# KiCad board oresat-batteries.kicad_pcb (continued)
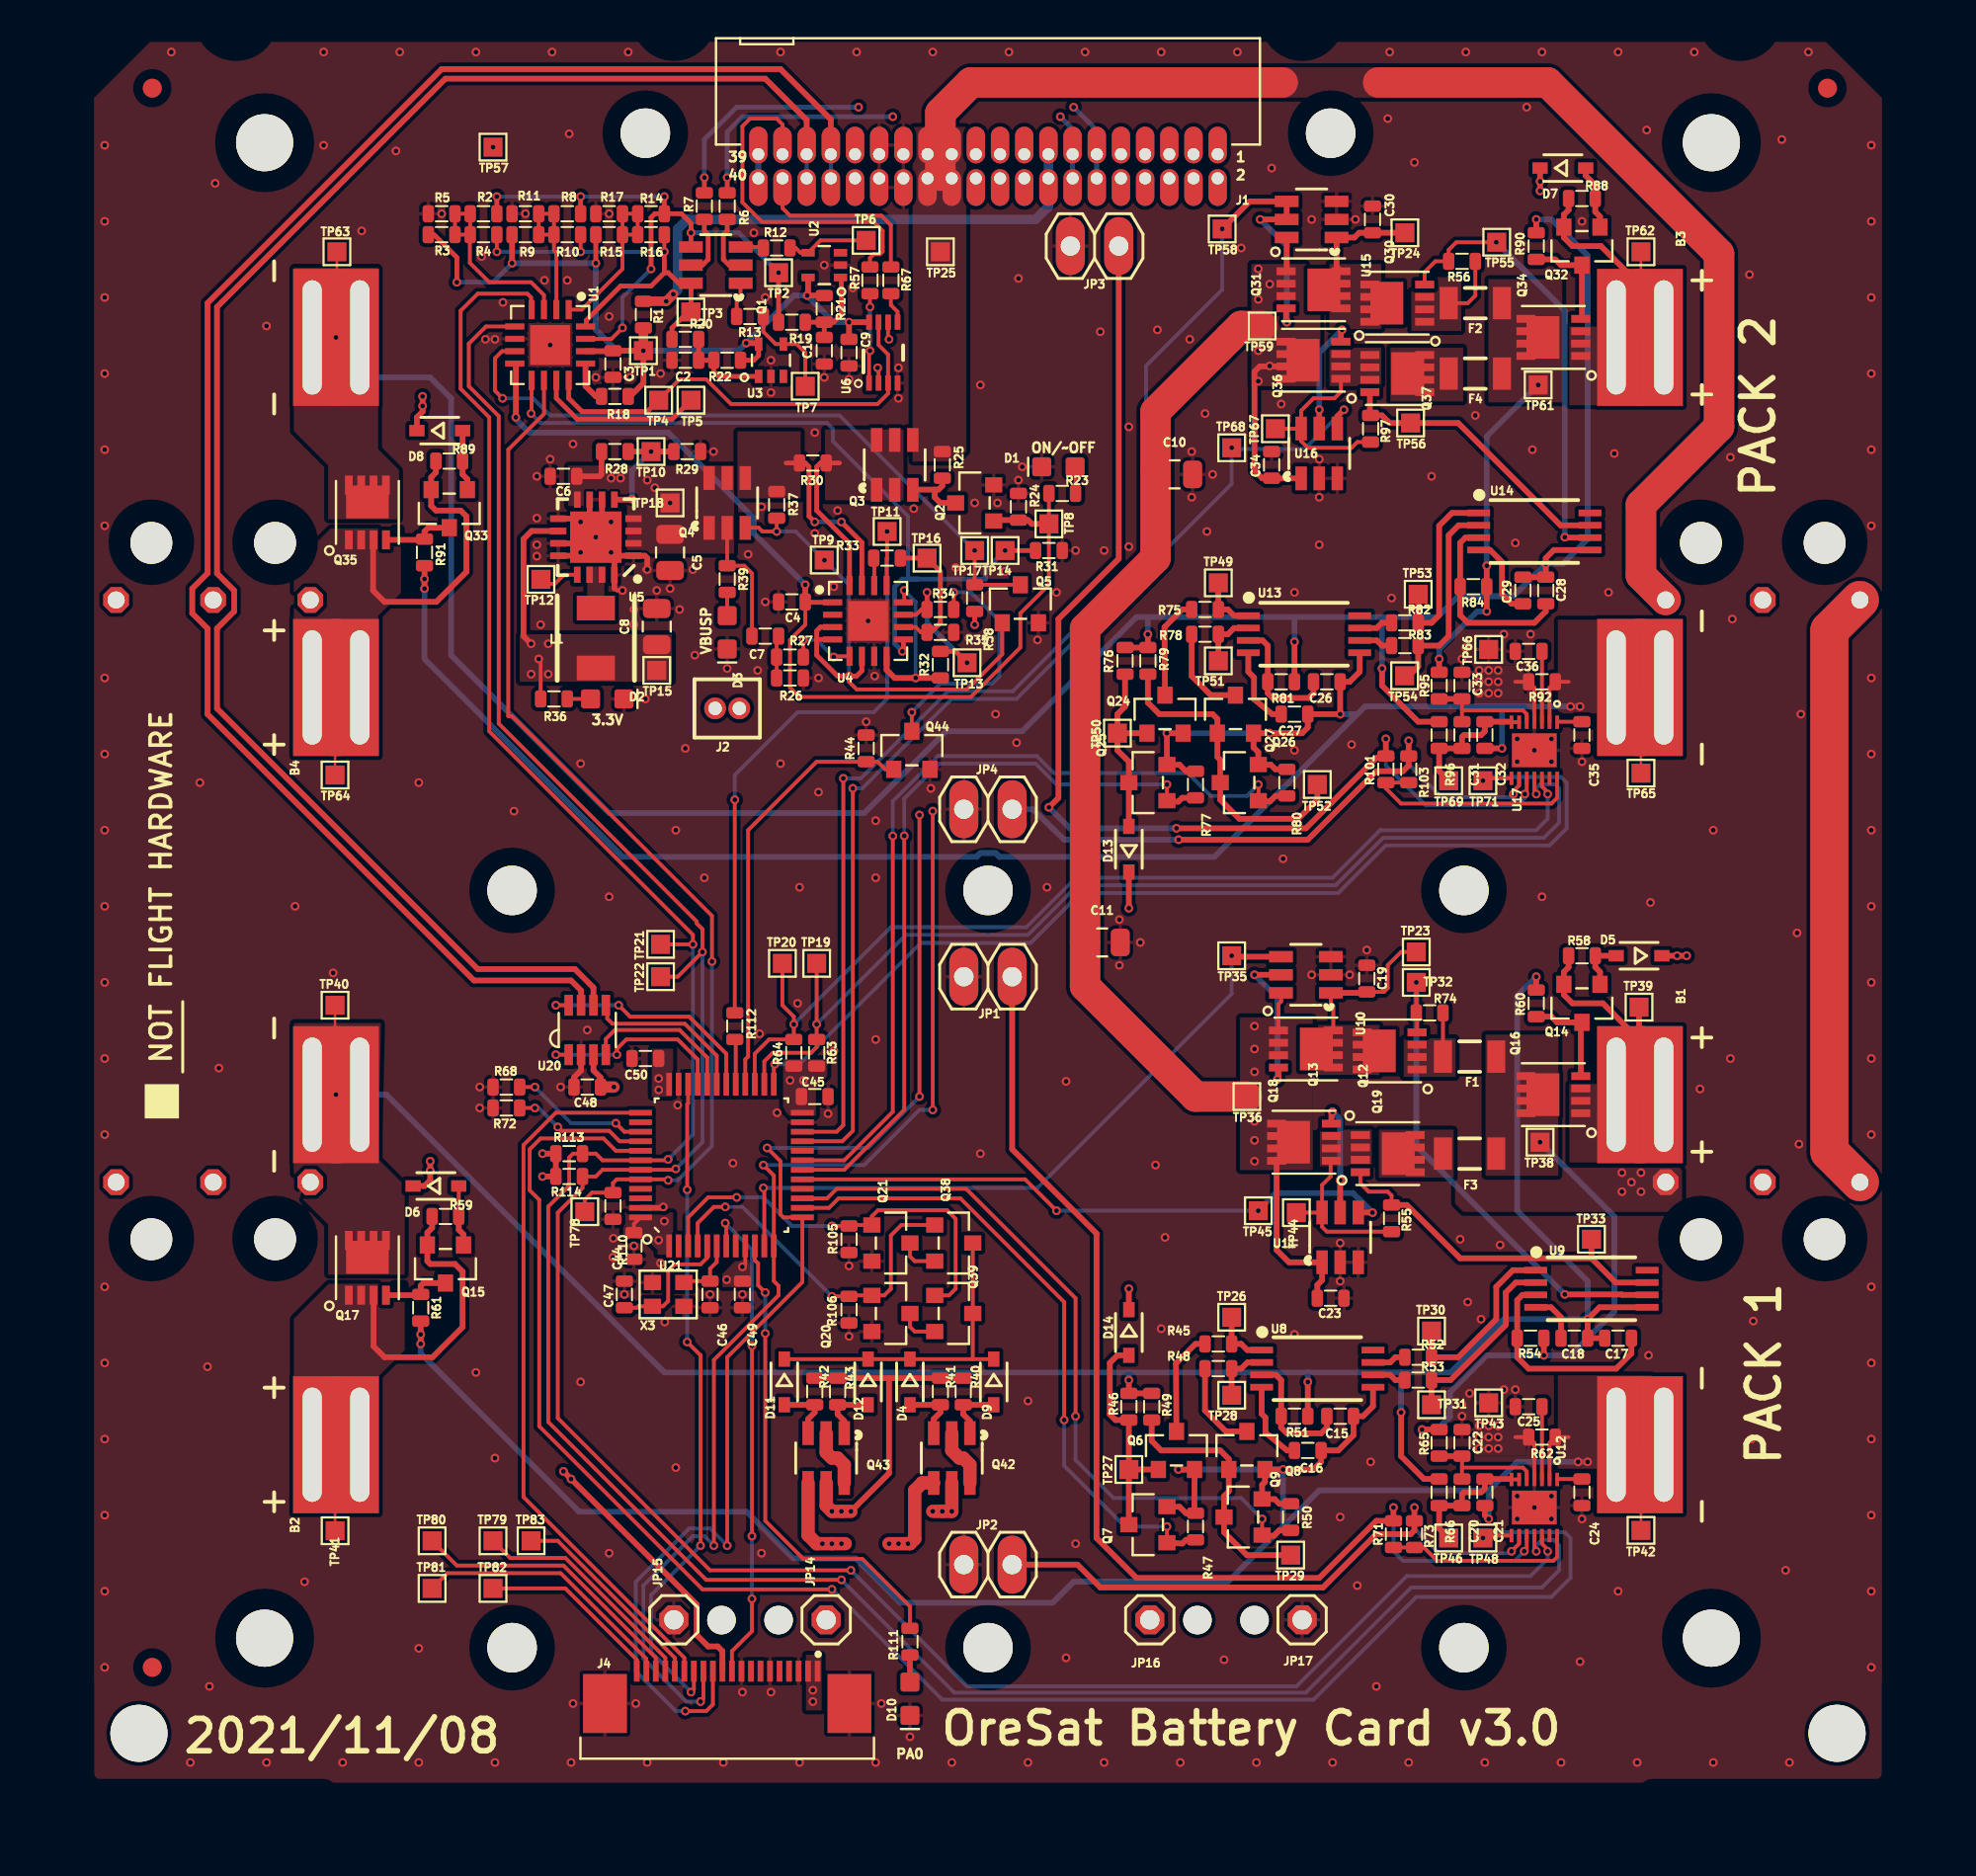
[diagram p0: board, top side]
## Routing (per net, layer and track width the routed paths; a pad name or vN(x,y) marks a point on that pad's centre or on a via; arc(x,y) is an arc through that point) (continued)
VBAT: length 147.5
  Top w0.152: 58.8,71.67 58.7,71.77
  Top w0.2: U10.6 65.3,44.41 65.3,43.97 65.16,43.83 Q13.1
  Top w0.3: Q31.1 65.59,82.37 U15.6 ; Q18.5 65.06,30.91 65.71,30.26 U11.1 67.45,29.32 67.2,29.07 C23.1 ; U16.1 64.81,71.46 C34.1 64.3,71.47 63.9,71.87 63.9,77.07 64.17,77.34 Q36.6
  Top w1.6: TP59.1 63.2,79.47 58.7,74.97 58.7,67.27 55,63.57 55,44.77 60.8,38.97 TP36.1
  In2.Cu w1.6: TP59.1 63.2,79.47 58.7,74.97 58.7,67.27 55,63.57 55,44.77 60.8,38.97 TP36.1 64.06,38.97 64.32,38.71 66.31,38.71 66.92,39.32 72.94,39.32 77.8,34.47 SW3.C
  vias: v1(63.9,42.67) v1(63.9,41.47) v1(63.9,40.27) v1(63.9,37.67) v1(63.9,36.67) v1(63.9,35.57) v1(64.1,82.47) v1(64.1,80.87) v1(64.1,78.17) v1(64.1,76.57) v1(64.7,81.67) v1(64.7,77.37) v1(83.2,34.97) v1(83.2,33.97) v1(83.7,34.47) v1(84.2,34.97) v1(84.2,33.97)
VBUS: length 128
  Top w1.6: SW4.C 84.2,66.37 84.2,70.07 88.3,74.17 88.3,83.27 79.3,92.27 70.4,92.27 ; 65.38,92.27 49,92.27 47.4,90.67 47.4,87.37
  Bottom w1.6: SW4.C 84.2,66.37 84.2,70.07 88.3,74.17 88.3,83.27 79.3,92.27 70.4,92.27 ; 65.38,92.27 49,92.27 47.4,90.67 47.4,87.37
VBUSP: length 148.8
  Top w0.2: 36.2,68.87 R39.2 37.1,66.87 37.5,66.47 C7.2
  Top w0.3: R40.1 R41.1 44.7,24.17 ; R28.2 29.6,71.67 29.5,71.57 C6.1 ; v1(42.7,17.17) 44.7,19.17 44.7,24.17 ; R42.1 R43.1 44.7,24.17
  Top w0.7: v1(47,17.17) v1(47.5,17.17) v1(48,17.17) 48,18.67 ; v1(42.7,17.17) v1(42.2,17.17) v1(41.7,17.17) 41.4,17.47 41.4,18.67
  In2.Cu w1: 22,17.17 v1(41.7,17.17) v1(42.2,17.17) v1(48,17.17) ; 22,17.17 22,9.07 25.4,5.67 39.5,5.67 40.7,6.87 v1(40.7,7.17) v1(40.7,7.77) ; 22,17.17 22,66.48 26.14,70.62 27.14,70.62 27.99,71.47 31.9,71.47 v1(33.2,70.17)
  vias: v1(30.1,71.47) v1(30.6,71.47) v1(32,71.37) v1(32.4,70.97)
/Battery Pack 1 (BOTTOM)/CSP-PK1: length 107.3
  Top w0.127: 84.2,16.27 84.2,20.62 84.15,20.67
  Top w0.2: 80.4,21.07 R62.1 79.4,20.77 U12.2
  Top w0.3: R50.1 65.2,17.57 64.96,17.81 Q9.2 64.3,18.57 64.45,18.72 Q8.2 v1(65.4,19.37) 67,19.37 67.4,19.77 C16.2 68.3,20.37 69.1,21.17 C15.2 69.6,22.17 70.12,22.69 U8.5 ; R61.2 v1(20.1,26.47) v1(20.1,25.97) ; C21.2 76,16.97 v1(76.2,16.77) ; v1(59.9,19.37) 59.92,19.35 Q6.2 60.75,19.36 60.74,17.13 R47.1 60.3,17.07 59.96,17.41 Q7.2
  Bottom w0.3: 65.4,16.37 62.5,13.47 54.4,13.47 53.3,12.37 45.29,12.37 42.96,14.7 39.67,14.7 37.22,17.15 28.42,17.15 20.1,25.47 v1(20.1,26.47) ; 65.4,16.37 v1(65.4,19.37) v1(59.9,19.37) ; 65.4,16.37 67.3,18.27 76.2,18.27 ; 76.2,18.27 77.7,19.77 v1(81.4,19.77) ; 76.2,18.27 v1(76.2,16.77)
  vias: v1(80.9,19.77)
/Battery Pack 1 (BOTTOM)/INTERCELL-PK1: length 115.1
  Top w0.127: TP40.1 15.6,39.22
  Top w0.2: 15.6,39.22 v1(15.65,39.07)
  Top w0.3: v1(57.3,24.07) R46.2 R49.1 ; U9.5 82.02,27.89 v1(81.4,27.27) C18.2 C17.2 ; v1(78.7,45.27) R60.2 ; v1(71.6,22.37) 71.6,20.07 72.8,18.87 R66.1 ; R51.2 v1(66.7,23.97)
  Bottom w0.3: 71.6,24.47 66.7,24.47 ; 71.6,24.47 v1(71.6,22.37) ; 71.6,24.47 74.2,24.47 77,27.27 v1(81.4,27.27) 81.4,29.27 77.7,32.97 77.7,44.27 v1(78.7,45.27) ; 66.7,24.47 v1(66.7,23.97) ; 66.7,24.47 57.3,24.47 ; 57.3,24.47 32.9,24.47 18.3,39.07 v1(15.65,39.07) ; 57.3,24.47 v1(57.3,24.07)
/Battery Pack 1 (BOTTOM)/~{CHARGE-PK1}: length 19.1
  Top w0.2: R55.1 71.1,33.77 70.9,33.97 69.9,33.97 69.46,34.41 Q19.4
  Top w0.3: R55.1 71.9,33.27 74.7,30.47 81.6,30.47 ; TP33.1 81.6,30.47 ; 81.6,30.47 82.87,29.19 U9.7
/Battery Pack 1 (BOTTOM)/~{DISCHARGE-PK1}: length 26.6
  Top w0.2: v1(72.4,44.97) R74.2 72.44,43.33 Q12.4
  Top w0.3: U9.6 83.22,28.54 83.2,28.57 v1(80.2,28.57)
  Bottom w0.3: v1(80.2,28.57) 72.4,36.37 v1(72.4,44.97)
/Battery Pack 2 (TOP)/CSP-PK2: length 107.5
  Top w0.127: TP65.1 84.2,60.42 84.15,60.47
  Top w0.2: U17.2 79.4,60.47 R92.1 80.4,60.77
  Top w0.3: R91.2 v1(20.3,66.17) v1(20.3,65.67) ; v1(76.9,57.27) C32.2 ; Q24.2 v1(59.3,58.07) Q25.2 59.96,56.41 60.3,56.07 R77.1 ; U13.5 69.42,61.29 68.9,60.77 C26.2 v1(68.4,59.07) C27.2 66.7,58.37 66.4,58.07 v1(64.7,58.07) Q26.2 63.85,57.32 64.1,57.07 Q27.2 64.76,56.41 65,56.17 R80.1
  Bottom w0.3: v1(76.9,57.27) 76.9,59.47 ; 76.9,59.47 69.7,59.47 69.3,59.07 ; 76.9,59.47 v1(80.5,59.47) v1(81,59.47) ; v1(68.4,59.07) 69.3,59.07 ; 69.3,59.07 61.8,51.57 50.5,51.57 50.3,51.77 49.5,51.77 49.3,51.57 30.7,51.57 20.3,61.97 v1(20.3,66.17) ; v1(64.7,58.07) v1(59.3,58.07)
/Battery Pack 2 (TOP)/INTERCELL-PK2: length 131.8
  Top w0.127: TP63.1 15.7,78.92 v1(15.65,78.87)
  Top w0.3: U14.5 79.62,67.69 79.2,67.27 v1(79.2,66.97) C28.2 C29.2 ; v1(58.3,63.26) R79.1 R76.2 ; v1(70.6,61.47) 70.6,60.57 72.5,58.67 R96.1 ; R90.2 v1(78.7,85.07) ; R81.2 v1(66,62.87)
  Bottom w0.3: v1(15.65,78.87) 17.85,76.77 20.6,76.77 21.7,75.67 21.7,62.17 30,53.87 43.4,53.87 47.7,58.17 51.7,58.17 57.7,64.17 58.3,64.17 ; 70.6,64.17 73.5,64.17 74.6,65.27 77.5,65.27 v1(79.2,66.97) 80.1,66.97 81.4,68.27 81.4,83.17 79.5,85.07 v1(78.7,85.07) ; 70.6,64.17 66,64.17 ; 70.6,64.17 v1(70.6,61.47) ; 66,64.17 v1(66,62.87) ; 66,64.17 58.3,64.17 ; v1(58.3,63.26) 58.3,64.17
/Battery Pack 2 (TOP)/~{CHARGE-PK2}: length 15.2
  Top w0.3: U14.7 79.97,68.99 74.6,74.37 TP56.1 71,74.37 70.6,74.77 R97.1 69.96,74.81 Q37.4
/Battery Pack 2 (TOP)/~{DISCHARGE-PK2}: length 23.7
  Top w0.2: v1(76.6,83.87) 74.5,83.87 74.1,83.47 R56.1 73.4,82.87 72.84,82.31 Q30.4
  Top w0.3: v1(80.2,68.37) 80.22,68.34 U14.6
  Bottom w0.3: v1(76.6,83.87) 80.2,80.27 v1(80.2,68.37)
/Microcontroller/CAN_RX: length 8.3
  Top w0.2: U20.4 29.82,41.99 30.3,42.47 33.7,42.47 35.15,41.02 U21.32
/Microcontroller/CAN_SHDN: length 8.8
  Top w0.2: U20.5 29.9,43.69 29.9,43.07 30.17,42.79 33.97,42.79 35.65,41.12 U21.31
/Microcontroller/CAN_TX: length 10.4
  Top w0.2: v1(30.4,41.17) 30.4,41.47 30.9,41.97 33.6,41.97 34.65,40.92 U21.33 ; v1(27.2,41.17) U20.1
  Bottom w0.2: v1(30.4,41.17) v1(27.2,41.17)
/Microcontroller/HEATER-ON-1: length 22.3
  Top w0.2: v1(41.7,32.17) R105.1 ; v1(36.7,33.67) 35.2,33.67 34.15,32.62 U21.3 ; Q39.1 47.85,28.52 48.2,28.87 48.2,32.54 47.75,32.99 44.13,32.99 43.8,32.67 Q21.1 42.65,32.22
  Top w0.3: 42.65,32.22 R105.1
  Bottom w0.2: v1(36.7,33.67) 38.1,33.67 39.6,32.17 v1(41.7,32.17)
/Microcontroller/HEATER-ON-2: length 19.1
  Top w0.152: R106.1 42.65,28.52
  Top w0.2: v1(41.7,28.47) R106.1 ; Q38.1 45.35,32.22 44.8,31.67 44.8,28.87 44.45,28.52 Q20.1 42.65,28.52 ; U21.4 34.65,32.32 35.5,33.17 v1(36.1,33.17)
  Bottom w0.2: v1(41.7,28.47) 37,33.17 v1(36.1,33.17)
/Microcontroller/NRESET: length 25.8
  Top w0.2: v1(37.5,25.87) v1(37.5,15.87) ; U21.7 36.15,32.27 v1(36.1,32.32) ; v1(37.5,12.57) 37.5,10.87 36.45,9.82 J4.10
  Bottom w0.2: v1(36.1,32.32) 37.5,30.92 37.5,25.87 v1(37.5,25.87) ; v1(37.5,15.87) v1(37.5,12.57)
/Microcontroller/PA0: length 25.3
  Top w0.2: R111.2 45.8,12.17 43.3,14.67 40.2,14.67 38.2,16.67 v1(38.2,26.52) ; U21.10 37.65,30.37 37.82,30.19 37.82,29.04 v1(38.2,28.67)
  Bottom w0.2: v1(38.2,28.67) v1(38.2,26.52)
/Microcontroller/PA8/POUTPROT: length 2.4
  Top w0.2: U21.29 36.65,41.92 R112.2
/Microcontroller/PA9/CAN_SILENT: length 12.3
  Top w0.2: U21.30 36.15,41.22 34.2,43.17 31.1,43.17 v1(30.5,43.77) ; v1(27.2,43.77) U20.8
  Bottom w0.2: v1(30.5,43.77) v1(27.2,43.77)
/Microcontroller/SWCLK: length 38
  Top w0.2: U21.37 27.2,38.12 25.5,36.42 25.5,17.92 33.95,9.47 J4.15
/Microcontroller/SWDIO: length 35.4
  Top w0.2: v1(34.1,26.07) 34.8,25.37 v1(34.8,15.37) ; v1(34.3,7.67) 34.45,7.82 J4.14 ; U21.34 34.15,38.62 34.1,38.57 v1(34.1,34.07)
  Bottom w0.2: v1(34.8,15.37) 32.2,12.77 32.2,9.77 v1(34.3,7.67) ; v1(34.1,34.07) v1(34.1,26.07)
/Power/AD0: length 9.3
  Top w0.2: R15.1 R17.2 R14.2 R16.1 R15.1 ; R15.1 30.7,82.47 28.56,80.33 U1.1
/Power/AD1: length 7.8
  Top w0.2: R10.1 27.1,83.43 27.22,83.31 U1.2 ; R10.1 R8.2 R11.2 R9.1 R10.1
/Power/AD2: length 10.6
  Top w0.2: U1.3 26.57,81.09 25.9,81.77 23.7,81.77 22.68,82.78 22.68,84.25 ; R2.2 R4.1 R3.1 R5.2 R2.2
  Top w0.25: 22.68,84.25 R4.1
/Power/CB-RESET: length 40.6
  Top w0.2: v1(25.9,74.87) 25.92,74.89 U1.9
  Top w0.25: v1(45.4,62.37) 45.46,62.43 U4.9 ; R31.2 v1(50.8,67.67)
  Bottom w0.2: 45.7,66.17 45.7,69.47 41.75,73.41 41.75,74.06 41.44,74.37 26.4,74.37 v1(25.9,74.87)
  Bottom w0.25: v1(45.4,62.37) 45,62.77 45,65.77 45.4,66.17 46.2,66.17 ; 46.2,66.17 45.7,66.17 ; 46.2,66.17 49.77,66.17 49.77,66.63 v1(50.8,67.67)
/Power/CB_CTRL: length 29.9
  Top w0.2: 37.15,68.87 37.85,68.87 38.05,68.67 v1(38.8,68.67) R37.1 ; v1(42.6,61.07) 42.6,60.77 43,60.37 48.8,60.37 50.65,62.22 Q5.1
  Top w0.25: U4.4 40.9,62.99 ; 40.9,62.99 40.9,62.17 42,61.07 v1(42.6,61.07) 43,61.07 43.27,61.34 U4.6 ; 40.9,62.99 40.9,63.44 41.1,63.64 U4.3
  Bottom w0.2: v1(42.6,61.07) 42.6,65.87 v1(41.31,67.16) TP9.1 39.8,68.67 v1(38.8,68.67)
/Power/ON/~{OFF}: length 54.5
  Top w0.2: R23.2 TP8.1 53.1,65.87 51.6,64.37 51.6,62.57 49,59.97 40,59.97 39.5,60.47 39.5,62.97 40.3,63.77 C4.1 ; U1.8 25.1,77.43
  Top w0.25: U4.1 40.32,64.94 C4.1
  Top w0.3: Q2.1 50.39,69.27 R24.2 52,69.27 52.2,69.07 TP8.1 ; 25.1,77.43 v1(25.1,74.67) ; v1(40.3,65.87) C4.1
  Bottom w0.3: v1(25.1,74.67) 25.1,74.57 25.8,73.87 33.1,73.87 37.6,69.37 37.6,68.57 v1(40.3,65.87)
/Power/PEN-SCL-FILT: length 31.8
  Top w0.2: v1(30.7,79.37) 30.12,78.79 U1.15
  Top w0.25: R14.1 32.4,85.37 32.2,85.17 v1(32.2,82.47) ; R14.1 33.8,85.37 34.3,84.87 34.3,84.65 34.3,84.65 v1(34.3,84.37) 34.3,83.62 ; R14.1 v1(32.9,86.27) ; R2.1 v1(24.1,86.27) ; R8.1 v1(28.5,86.27) ; R19.2 v1(38.9,82.27)
  Bottom w0.2: v1(24.1,86.27) v1(28.5,86.27) v1(32.9,86.27) ; v1(30.7,79.37) 30.7,80.97 v1(32.2,82.47)
  Bottom w0.25: v1(34.3,84.37) 36.8,84.37 v1(38.9,82.27)
/Power/PEN-SDA-FILT: length 23.1
  Top w0.2: v1(32.9,83.37) R16.2 ; v1(28.5,83.37) R10.2 ; R4.2 v1(24.1,83.37)
  Top w0.25: 34.3,81.67 33.7,81.67 33.1,82.27 32.9,82.27 ; 34.3,81.67 34.3,81.72 ; 34.3,81.67 34.3,80.37 33.3,79.37 R20.2 ; 32.9,82.27 v1(32.9,83.37) ; 32.9,82.27 32.2,81.57 30.6,81.57 28.8,79.77 28.8,79.48 U1.16
  Bottom w0.2: v1(24.1,83.37) v1(28.5,83.37) v1(32.9,83.37)
/Power/~{FAULT}: length 35.8
  Top w0.2: U1.7 24.37,78.14 24,77.77 24,76.07 v1(24.4,75.67) ; v1(49.2,67.67) R38.1 Q5.3
  Bottom w0.2: v1(49.2,67.67) 42.1,74.77 26.9,74.77 26,75.67 v1(24.4,75.67)
ALERTA-PK1: length 92.4
  Top w0.2: U21.41 30.35,36.12 29.7,36.77 26.4,36.77 25.83,36.19 25.83,34.04 26.33,33.54 26.33,21.64 34.9,13.07 v1(41.7,13.07) ; U12.8 76.02,15.89 v1(75.9,15.77)
  Bottom w0.2: v1(75.9,15.77) 76.2,16.07 80.2,16.07 80.5,15.77 80.5,13.67 79.5,12.67 72.4,12.67 67,7.27 47.5,7.27 v1(41.7,13.07)
ALERTA-PK2: length 56.4
  Top w0.2: v1(38.7,40.67) 38.65,40.62 U21.25 ; U17.8 76.02,55.69 v1(75.9,55.57)
  Bottom w0.2: v1(38.7,40.67) 40,40.67 46.37,47.04 52.13,47.04 54.76,49.67 68.3,49.67 70.8,52.17 79.4,52.17 80.3,53.07 80.3,55.47 80,55.77 76.1,55.77 v1(75.9,55.57)
BOOT0: length 54.4
  Top w0.2: v1(33.1,34.57) 33.05,34.62 U21.44 30.4,34.62 30.2,34.42 R110.2 29.1,33.92 28.72,33.54 TP78.1 ; v1(35.4,46.07) 35.4,48.47 24.9,58.97 24.7,58.97 24.7,72.97 26.57,74.84 U1.10
  Bottom w0.2: v1(33.1,34.57) 33.6,34.57 35.4,36.37 v1(35.4,46.07)
C3-UART-RX: length 9.8
  Top w0.2: R67.2 44.8,84.77 44.3,85.27 39.5,85.27 39.1,85.66 J1.38
C3-UART-TX: length 18.3
  Top w0.2: J1.37 39.1,90.06 38.8,90.37 37.4,90.37 37,89.97 37,85.97 38.03,84.94 43.9,84.94 44.37,84.47 44.37,83.38 44.23,83.24 43.9,83.24 43.7,83.04 R57.2
CAN1_H: length 90.7
  Top w0.3: J1.33 41.64,90.32 39,92.97 21.2,92.97 8.9,80.67 8.9,66.47 8.1,65.67 8.1,64.37 8.9,63.57 8.9,59.07 22.9,45.07 28,45.07 28.52,44.54 U20.7
  Bottom w0.2: J1.34 J1.33
CAN1_L: length 88.5
  Top w0.3: J1.35 40.37,90.29 38.2,92.47 21.4,92.47 9.4,80.47 9.4,66.47 10.3,65.57 10.3,64.47 9.4,63.57 9.4,59.37 23.1,45.67 28.2,45.67 29.17,44.69 U20.6
  Bottom w0.2: J1.36 J1.35
CHARGE-DISABLE-PK1: length 34
  Top w0.2: v1(53.9,21.97) 53.9,28.17 48.45,33.62 42.05,33.62 41.55,33.12 U21.14 ; Q7.1 v1(59.3,16.37)
  Top w0.3: R47.2 60.3,15.67 60.11,15.48 Q7.1
  Bottom w0.2: v1(59.3,16.37) 57.1,16.37 53.9,19.57 v1(53.9,21.97)
CHARGE-DISABLE-PK2: length 40.5
  Top w0.2: Q25.1 v1(59.3,55.37) ; U21.18 42.35,35.12 45.5,38.27 v1(45.5,52.67)
  Top w0.3: R77.2 60.1,54.67 59.9,54.47 59.4,54.47 59.3,54.57
  Bottom w0.2: v1(59.3,55.37) 53.5,55.37 52.4,56.47 47.34,56.47 45.5,54.63 v1(45.5,52.67)
CHARGE-STAT-OC-PK1: length 32.2
  Top w0.2: v1(53.5,32.97) 51.85,34.62 U21.17
  Top w0.3: v1(70.1,32.87) 70.09,32.88 U11.4
  Bottom w0.2: v1(64.1,32.97) v1(53.5,32.97)
  Bottom w0.3: v1(64.1,32.97) 65.03,33.9 69.07,33.9 v1(70.1,32.87)
CHARGE-STAT-OC-PK2: length 57.2
  Top w0.2: v1(42.8,55.17) 42.8,37.17 42.25,36.62 U21.21
  Top w0.3: U16.4 68.25,74.72 v1(68.6,75.07)
  Bottom w0.2: v1(62.7,73.07) 62.7,71.17 51.4,59.87 48,59.87 43.3,55.17 v1(42.8,55.17) ; v1(68.6,75.07) 66.53,73 62.7,73
DCHG-STAT-OC-PK1: length 36.5
  Top w0.2: v1(38.1,34.17) 38.15,34.12 U21.11
  Top w0.3: U10.4 62.75,46.32 v1(62.7,46.37)
  Bottom w0.2: v1(38.1,34.17) 52.5,34.17 62.7,44.37 v1(62.7,46.37)
DCHG-STAT-OC-PK2: length 73.2
  Top w0.2: U21.22 41.95,37.12 42.3,37.47 v1(42.3,55.69)
  Top w0.3: Q31.4 65.56,79.71 v1(65.6,79.67) ; v1(64.2,85.07) U15.5 U15.4 63.65,86.02 v1(62.2,84.57) TP58.1
  Bottom w0.2: TP58.1 62.2,81.37 58.2,77.37 58.2,67.27 51.2,60.27 47.8,60.27 43.23,55.69 v1(42.3,55.69)
  Bottom w0.3: v1(64.2,85.07) 65.6,83.67 v1(65.6,79.67)
